# Altium PCB DIOT_PSU_AC_180.pcbdoc (part 2 of 2)
Units mm, origin at the board's own origin, x right, y up, seen from the top; angles counter-clockwise.
Board outline 159 x 100 mm, 2 copper layers (Top Layer, Bottom Layer), stack 1.57 mm thick; 95 components, 71 nets, 361 pads, 64 vias.
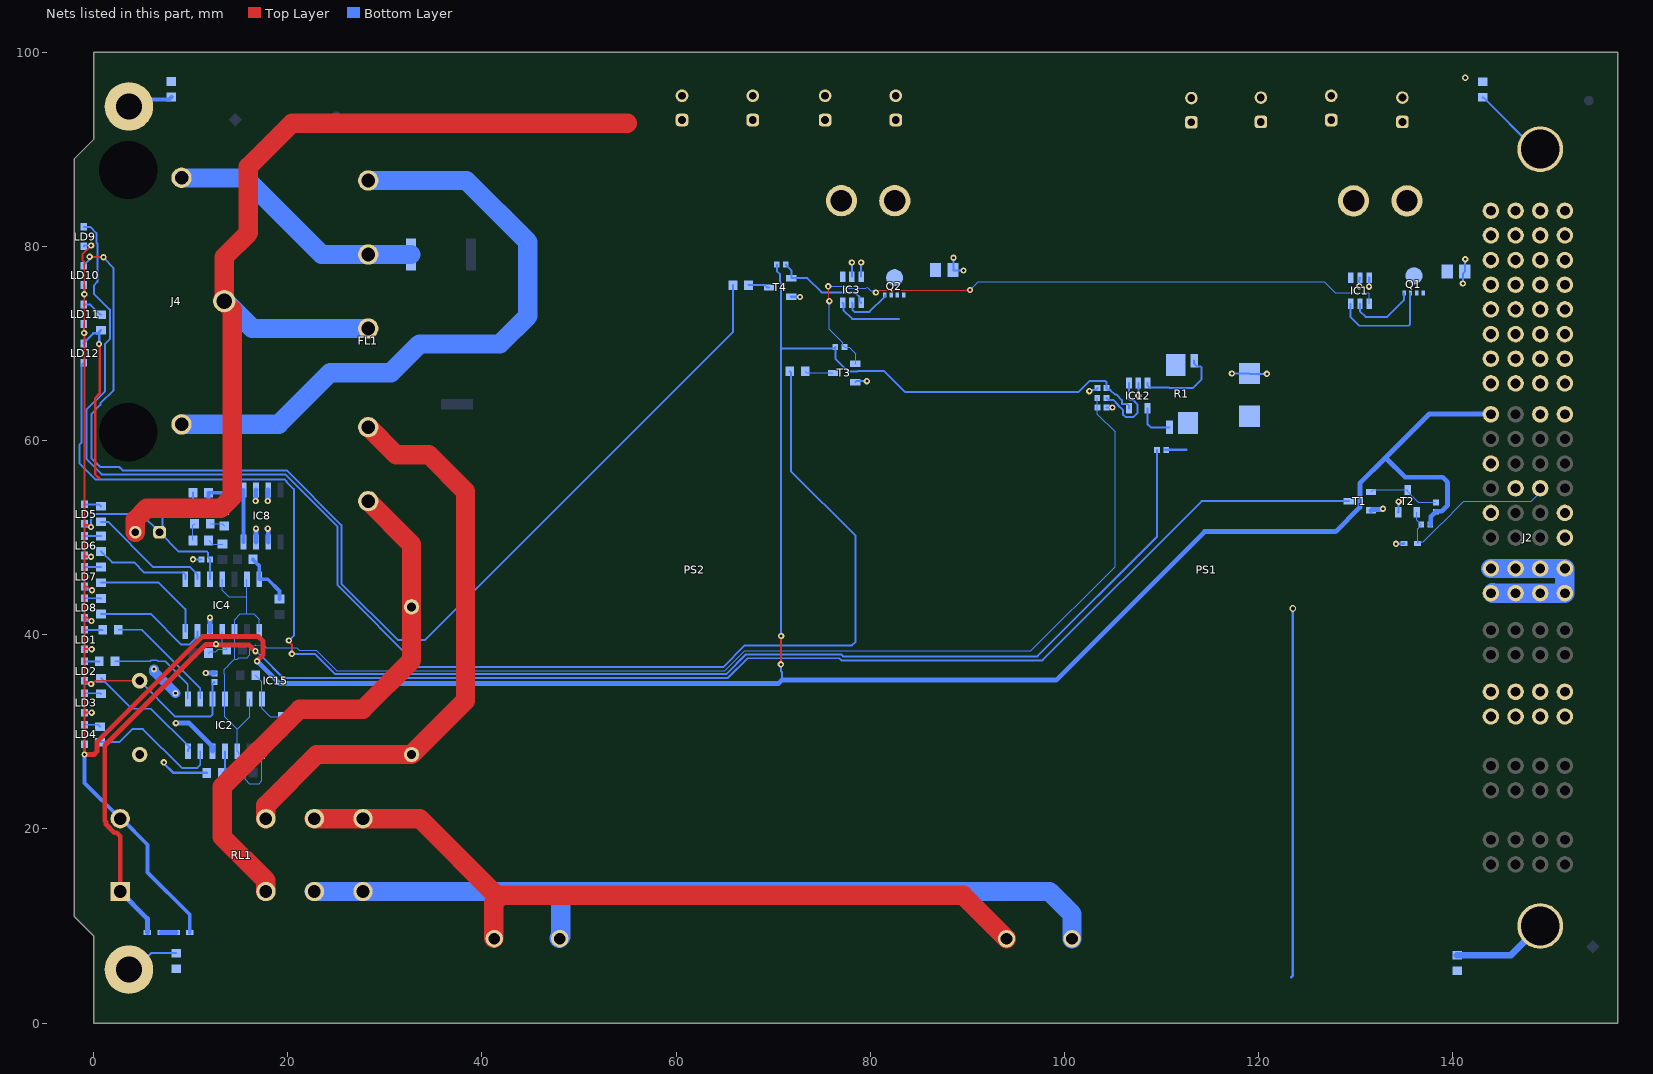
[diagram p2: the nets of this part, all layers, seen from the top]

## Via types
v1: diameter 0.65, hole 0.3, Top Layer to Bottom Layer, 56 vias
v2: diameter 1, hole 0.5, Top Layer to Bottom Layer, 6 vias
v3: diameter 0.7, hole 0.4, Top Layer to Bottom Layer, 2 vias

## Nets (pads, with @x,y where several pads share a name; then routed paths per layer and width w, separated by ;. In a path a pad name is that pad's centre, name@x,y a point inside that pad or via, vN(x,y) a via of type N, cw(c..) or ccw(c..) an arc to the next point about the centre after c; other vN are vias at no path point) (continued)
DC_RTN: J2.P5 | length 17.2
  Bottom Layer w2: J2.P5@143.92,46.818 J2.P5@146.46,46.818 J2.P5@149,46.818 J2.P5@151.54,46.818 J2.P5@151.54,44.716 ; J2.P5@144.091,44.316 144.129,44.278 J2.P5@146.46,44.278 J2.P5@149,44.278 J2.P5@151.54,44.278
GND: C1.1 C2.2 C3.2 C4.1 C5.2 C6.1 C7.1 C8.2 C9.2 C10.2 C11.2 C12.2 C13.2 C22.1 C34.1 D2.2 D5.2 FL1.PE IC1.2 IC1.3 IC2.12 IC3.2 IC3.3 IC4.12 IC8.2 IC8.3 IC8.6 IC8.7 IC12.2 IC15.3 J2.A6 J2.B6 J2.C3 J2.D4 J2.P3 J2.P6 J2.P7 J4.2 LD12.1 PS1.-VO PS2.-VO R13.2 R20.1 R37.1 R38.1 R39.2 R40.2 T1.2 T2.2 T3.2 T4.2 | length 204
  Top Layer w0.254: v1(0.562,69.926) 0.635,69.853 0.635,64.823 0.178,64.366 0.178,56.515 0.61,56.083
  Top Layer w2: C2.2@4.303,50.554 4.303,51.841 5.474,53.012 13.109,53.012 14.281,54.184 14.281,73.459 13.468,74.273 13.468,78.896 15.952,81.381 15.952,88.188 20.441,92.677 54.975,92.677
  Bottom Layer w0.203: v1(10.246,47.761) C22.1@11.111,47.761 ; IC3.2@78.106,76.869 v1(78.106,78.337) ; T3.2@78.457,66.008 78.562,66.113 v1(79.646,66.113) ; IC3.3@79.056,76.869 v1(79.056,78.337) ; v1(88.578,78.82) 88.578,77.512 v1(89.592,77.512) ; v1(102.565,65.075) 102.686,65.075 102.802,65.19 103.204,65.19 C6.1@103.412,65.399 ; C7.1@104.312,63.392 v1(104.933,63.392) ; v1(107.602,64.616) IC12.2@107.602,65.916 ; v1(117.241,66.906) 119.028,66.906 D5.2@119.041,66.893 119.068,66.866 v1(120.841,66.866) ; v1(141.027,76.172) 141.027,77.188 141.275,77.435 v1(141.275,78.664)
  Bottom Layer w0.254: LD12.1@-1,70 -1,70.05 -0.012,71.038 0.439,71.038 R20.1@0.635,71.234 ; v1(0.562,69.926) 0.599,69.964 0.599,71.199 R20.1@0.635,71.234 ; R20.1@0.762,71.361 R20.1@0.635,71.234 ; v1(7.239,26.848) 7.239,26.746 8.228,25.757 R13.2@11.661,25.757 ; T4.2@71.866,74.814 71.885,74.796 72.753,74.796 v1(72.771,74.778) ; 123.342,4.699 123.52,4.877 v3(123.52,42.697) ; v1(130.366,75.893) 130.366,76.345 IC1.2@130.432,76.768 ; v1(131.369,75.844) 131.376,75.851 131.376,76.761 IC1.3@131.382,76.768 ; v1(134.137,49.352) 134.163,49.378 134.939,49.378 D2.2@134.965,49.404 ; T2.2@134.39,52.603 134.404,52.616 134.404,53.682 v1(134.417,53.696)
  Bottom Layer w0.5: v1(8.484,30.886) 9.845,30.886 12.265,28.466 IC2.12@12.265,27.991 ; v1(11.561,36.054) 11.576,36.04 12.447,36.04 C4.1@12.461,36.025 ; IC4.12@11.996,40.307 12,40.311 12,41.748 v1(12.003,41.752) ; v1(16.698,53.772) 16.711,53.785 16.711,54.908 IC8.2@16.725,54.922 ; IC8.7@16.725,49.522 16.73,49.526 16.73,50.915 v1(16.735,50.92) ; v1(17.945,50.92) 17.945,50.879 17.995,50.829 IC8.6@17.995,49.522 ; v1(17.945,53.772) 17.97,53.797 17.97,54.897 IC8.3@17.995,54.922 ; T1.2@131.582,52.803 131.657,52.878 132.678,52.878 132.767,52.966 v1(132.807,52.966)
  Bottom Layer w1: v1(6.223,36.449) 6.223,36.184 v1(8.44,33.967)
  Bottom Layer w2: J4.2@13.468,74.354 13.549,74.354 16.368,71.535 FL1.PE@28.29,71.535
  other v3: 141.272,97.351
i_adc: C7.2 IC2.4 IC2.6 IC2.8 IC2.10 IC4.4 IC4.6 IC4.8 IC4.10 R45.1 | length 153.5
  Bottom Layer w0.127: IC4.4@13.266,45.707 13.266,44.588 13.927,43.926 15.806,43.926 ; IC4.6@15.806,45.707 15.806,43.926 ; IC2.6@16.075,33.391 16.075,31.548 14.805,30.278 ; IC4.8@17.076,40.307 17.076,41.576 16.515,42.136 15.815,42.136 ; IC2.8@17.345,27.991 17.345,24.961 17.049,24.666 16.051,24.666 15.623,25.094 15.623,26.491 15.009,27.105 15.009,27.787 IC2.10@14.805,27.991 14.805,30.278 ; 21.006,38.608 21.207,38.407 22.938,38.407 25.042,36.303 65.013,36.303 67.048,38.338 96.535,38.338 105.212,47.015 105.212,60.903 103.392,62.723 R45.1@103.392,64.383 ; 21.006,38.633 17.781,38.633 17.577,38.837 16.726,38.89 ccw(c16.688,38.303) 16.642,38.89 16.335,38.866 16.298,38.829 16.145,38.676 16.105,38.384 ccw(c16.688,38.303) 16.101,38.345 16.071,37.924 16.049,37.902 16.049,37.871 15.821,37.643 14.937,37.643 14.787,37.493 14.536,37.493 ; 14.536,37.493 14.461,37.418 13.883,36.826 cw(c13.462,37.236) 13.868,36.811 13.542,36.499 13.468,36.425 13.468,36.372 13.468,35.923 13.535,35.855 IC2.4@13.535,33.391 13.535,31.548 14.805,30.278 ; 14.536,37.493 IC4.10@14.536,40.307 14.536,41.558 15.114,42.136 15.815,42.136 ; 15.806,43.926 15.806,42.145 15.815,42.136
LED_1/8: LD4.1 R12.2 | length 1.7
  Bottom Layer w0.2: LD4.1@-0.932,30.724 0.464,30.724 R12.2@0.664,30.524
LED_2/8: LD3.1 R10.2 | length 1.7
  Bottom Layer w0.2: LD3.1@-0.932,33.967 0.704,33.967 R10.2@0.762,33.909
LED_3/8: LD2.1 R7.2 | length 1.5
  Bottom Layer w0.2: LD2.1@-0.932,37.254 R7.2@0.603,37.254
LED_4/8: LD1.1 R5.2 | length 1.9
  Bottom Layer w0.2: LD1.1@-0.932,40.502 R5.2@0.953,40.502
LED_5/8: LD8.1 R59.2 | length 1.7
  Bottom Layer w0.2: LD8.1@-0.932,43.752 0.746,43.752 R59.2@0.762,43.736
LED_6/8: LD7.1 R57.2 | length 1.7
  Bottom Layer w0.2: LD7.1@-0.932,46.957 R57.2@0.762,46.957
LED_7/8: LD6.1 R55.2 | length 1.7
  Bottom Layer w0.2: LD6.1@-0.932,50.154 R55.2@0.762,50.154
LED_8/8: LD5.1 R42.2 | length 1.8
  Bottom Layer w0.2: LD5.1@-0.932,53.42 0.562,53.42 R42.2@0.762,53.22
MAINS_L: FL1.P' IC15.2 RL1.2 | length 55.8
  Top Layer w2: RL1.2@17.753,13.547 17.753,14.683 13.253,19.183 13.253,24.327 21.247,32.322 27.724,32.322 32.753,37.35 IC15.2@32.753,42.854 32.753,49.292 FL1.P'@28.29,53.755
MAINS_L_sw: PS1.AC_L PS2.AC_L RL1.3 RL1.4 | length 86.4
  Bottom Layer w2: RL1.3@22.753,13.547 RL1.4@27.753,13.547 48.1,13.547 ; PS2.AC_L@47.969,8.741 48.1,8.872 48.1,13.547 ; PS1.AC_L@100.777,8.683 100.777,11.223 98.453,13.547 48.1,13.547
MAINS_N: FL1.N' IC15.1 RL1.7 | length 60.7
  Top Layer w2: RL1.7@17.753,21.047 17.753,22.411 22.996,27.654 IC15.1@32.753,27.654 38.312,33.214 38.312,54.754 34.539,58.527 31.165,58.527 28.317,61.375 FL1.N'@28.29,61.375
MAINS_N_sw: PS1.AC_N PS2.AC_N RL1.5 RL1.6 | length 81
  Top Layer w2: RL1.6@22.753,21.047 RL1.5@27.753,21.047 33.596,21.047 41.75,12.894 ; PS2.AC_N@41.219,8.741 41.219,12.363 41.997,13.141 89.57,13.141 PS1.AC_N@94.027,8.683
NetD1_2: D1.2 D10.1 | length 1.6
  Bottom Layer w0.5: D10.1@6.944,9.336 D1.2@8.518,9.336
NetD10_2: D10.2 RL1.1 T1.3 | length 162.8
  Top Layer w0.5: RL1.1@2.753,13.547 2.753,19.247 2.403,19.597 2.152,19.597 1.303,20.447 1.303,20.697 1.152,20.848 1.152,28.584 11.559,38.991 12.585,38.991 v1(12.613,39.02) ; v1@12.587,38.948 16.003,38.948 16.647,38.303 v1(16.688,38.303)
  Bottom Layer w0.203: v1(16.688,38.303) 17.203,37.895 17.262,37.836 19.563,35.535 65.332,35.535 67.366,37.57 76.82,37.57 77.037,37.353 97.729,37.353 114.128,53.753 T1.3@129.282,53.753
  Bottom Layer w0.5: RL1.1@2.753,13.547 5.544,10.756 D10.2@5.544,9.336
NetFL1_N: FL1.N J4.3 R18.2 | length 26.9
  Top Layer w2: J4.3@9.068,87.054 J4.3@9.087,87.035
  Bottom Layer w2: J4.3@9.068,87.054 9.087,87.035 15.629,87.035 23.509,79.155 FL1.N@28.29,79.155 R18.2@32.69,79.155
NetFL1_P: FL1.P J4.1 R17.2 | length 67
  Top Layer w2: J4.1@9.068,61.654 J4.1@9.087,61.673
  Bottom Layer w2: J4.1@9.068,61.654 9.087,61.673 19.068,61.673 24.38,66.985 30.641,66.985 33.59,69.934 41.844,69.934 44.74,72.83 44.74,80.43 38.395,86.775 FL1.P@28.29,86.775
NetIC1_4: IC1.4 R15.1 T3.1 | length 67.5
  Top Layer w0.127: v1(75.675,75.877) 75.728,75.825 75.728,74.405 v1(75.78,74.353) ; v1(80.569,75.239) 80.71,75.239 80.964,75.493 v1(90.268,75.493)
  Bottom Layer w0.127: v1(75.675,75.877) 77.579,75.877 77.794,75.662 79.556,75.662 79.682,75.787 80.057,75.412 80.254,75.412 80.427,75.239 v1(80.569,75.239) ; v1(75.78,74.353) 75.78,71.438 77.176,70.042 77.176,69.791 R15.1@77.351,69.616 77.832,69.616 78.492,68.956 78.492,67.943 T3.1@78.457,67.908 ; v1(90.268,75.493) 91.118,76.343 126.759,76.343 127.893,75.209 131.308,75.209 131.382,75.135 IC1.4@131.382,74.068
NetIC1_5: IC1.5 Q1.4 | length 7
  Bottom Layer w0.203: IC1.5@130.432,74.068 130.432,73.33 131.023,72.739 133.239,72.739 134.99,74.49 Q1.4@134.99,75.195
NetIC1_6: IC1.6 IC3.6 Q1.1 Q1.2 Q1.3 Q2.1 Q2.2 Q2.3 R1.I2 | length 18
  Bottom Layer w0.2: IC3.6@77.156,74.169 77.237,74.089 77.237,73.436 78.14,72.533 82.944,72.533
  Bottom Layer w0.203: IC1.6@129.482,74.068 129.482,72.704 130.371,71.815 135.446,71.815 135.565,71.934 135.565,74.545 135.567,74.547 135.567,75.122 Q1.3@135.64,75.195
NetIC2_1: IC2.1 R7.1 | length 10.1
  Bottom Layer w0.152: R7.1@2.203,37.254 5.859,37.254 5.957,37.352 6.539,37.352 6.637,37.254 7.376,37.254 9.725,34.906 IC2.1@9.725,33.391
NetIC2_2: IC2.2 R5.1 | length 12
  Bottom Layer w0.152: R5.1@2.553,40.502 4.956,40.502 10.995,34.463 IC2.2@10.995,33.391
NetIC2_7: IC2.7 R6.2 R8.1 | length 6.1
  Bottom Layer w0.127: R6.2@16.721,35.81 16.721,35.76 17.345,35.136 IC2.7@17.345,33.391 17.345,32.44 18.219,31.566 R8.1@19.488,31.566
NetIC2_11: IC2.11 R11.2 R13.1 | length 3.9
  Bottom Layer w0.2: R13.1@13.261,25.757 R13.1@13.358,25.757 ; IC2.11@13.535,27.991 13.535,25.934 R13.1@13.358,25.757 ; R11.2@14.823,25.782 14.798,25.757 R13.1@13.358,25.757
NetIC2_13: IC2.13 R12.1 | length 14.1
  Bottom Layer w0.2: R12.1@0.664,28.924 2.653,28.924 4.008,30.278 5.093,30.278 9.09,26.282 10.695,26.282 10.995,26.582 IC2.13@10.995,27.991
NetIC2_14: IC2.14 R10.1 | length 12.6
  Bottom Layer w0.2: R10.1@0.762,35.509 0.812,35.509 3.954,32.367 5.919,32.367 9.942,28.344 9.925,28.344 9.725,28.144 IC2.14@9.725,27.991
NetIC3_4: IC3.4 R16.1 T4.1 | length 10.1
  Bottom Layer w0.2: R16.1@71.311,78.105 71.311,78.085 71.866,77.529 T4.1@71.866,76.714 73.52,76.714 74.99,75.244 78.451,75.244 78.881,74.814 78.881,74.344 IC3.4@79.056,74.169
NetIC3_5: IC3.5 Q2.4 | length 5
  Bottom Layer w0.2: IC3.5@78.106,74.169 78.176,74.099 78.176,73.436 78.37,73.243 79.918,73.243 81.499,74.824 81.499,74.989 Q2.4@81.494,74.994
NetIC4_1: IC4.1 R55.1 | length 10.2
  Bottom Layer w0.2: R55.1@0.762,48.554 0.812,48.554 1.925,47.44 4.187,47.44 5.245,46.382 9.256,46.382 9.456,46.182 IC4.1@9.456,45.707
NetIC4_2: IC4.2 R42.1 | length 12.7
  Bottom Layer w0.2: R42.1@0.762,51.62 1.505,51.62 6.167,46.957 9.951,46.957 10.726,46.182 IC4.2@10.726,45.707
NetIC4_7: IC4.7 R48.2 R56.1 | length 5.7
  Bottom Layer w0.4: R48.2@16.423,47.761 16.423,47.711 16.673,47.461 16.698,47.461 17.076,47.082 IC4.7@17.076,45.707 17.945,45.707 19.151,44.502 R56.1@19.151,43.667
NetIC4_11: IC4.11 R58.2 R60.1 | length 4.1
  Bottom Layer w0.127: R60.1@11.846,38.102 11.971,38.227 12.595,38.227 12.848,38.48 R58.2@13.736,38.48 13.736,38.53 13.266,39 IC4.11@13.266,40.307
NetIC4_13: IC4.13 R59.1 | length 12.1
  Bottom Layer w0.2: R59.1@0.762,42.136 5.883,42.136 9.039,38.98 9.873,38.98 10.726,39.832 IC4.13@10.726,40.307
NetIC4_14: IC4.14 R57.1 | length 12.1
  Bottom Layer w0.2: R57.1@0.762,45.357 6.72,45.357 9.456,42.622 IC4.14@9.456,40.307
NetIC12_1: IC12.1 R45.2 | length 8.1
  Bottom Layer w0.203: R45.2@104.332,64.383 104.332,64.363 104.52,64.174 105.037,64.174 105.515,63.697 105.515,63.626 106.05,63.09 106.05,62.641 106.292,62.4 107.104,62.4 107.518,62.814 107.518,63.727 107.077,64.168 106.771,64.168 106.652,64.287 IC12.1@106.652,65.916
NetIC12_3: IC12.3 R1.E2 | length 8.8
  Bottom Layer w0.203: IC12.3@108.552,65.916 108.552,65.666 108.75,65.468 110.752,65.468 110.821,65.399 113.227,65.399 114.122,66.294 114.122,67.521 114.003,67.64 113.64,67.64 113.361,67.919 R1.E2@113.361,68.218
NetIC12_4: IC12.4 R1.E1 | length 4
  Bottom Layer w0.203: IC12.4@108.552,63.316 108.552,61.693 108.887,61.358 R1.E1@110.821,61.358
NetJ2_MTG1: J2.MTG1 R39.1 | length 8.1
  Bottom Layer w0.203: R39.1@143.07,95.343 143.12,95.343 148.46,90.003 J2.MTG1@149,90.003
NetJ2_MTG2: J2.MTG2 R40.1 | length 9.8
  Bottom Layer w0.7: R40.1@140.44,6.988 145.995,6.988 J2.MTG2@149,9.993
NetLD9_1: LD9.1 R9.2 | length 150.1
  Bottom Layer w0.2: LD9.1@-1,82 -0.339,82 0.305,81.356 0.305,80.384 0.406,80.283 0.406,76.323 0.035,75.952 0.035,75.124 1.676,73.482 1.676,70.434 1.187,69.945 1.187,65.093 -0.709,63.196 -0.709,58.065 0.842,56.513 19.743,56.513 25.139,51.117 25.139,45.094 33.566,36.667 64.863,36.667 67.088,38.892 78.111,38.892 78.492,39.273 78.492,50.182 71.831,56.842 71.831,67.001 R9.2@71.701,67.131
NetLD10_1: LD10.1 R14.2 | length 120
  Top Layer w0.2: v1(-0.4,78.918) -0.375,78.892 1.006,78.892 v1(1.031,78.867)
  Bottom Layer w0.2: LD10.1@-1,78 -1,78.05 -0.487,78.563 -0.487,78.832 v1(-0.4,78.918) ; v1(1.031,78.867) 1.031,78.801 2.076,77.756 2.076,65.195 0.711,63.83 0.711,63.664 -0.229,62.724 -0.229,58.172 0.675,57.269 2.653,57.269 3.008,56.913 19.908,56.913 25.539,51.283 25.539,45.26 31.344,39.454 34.161,39.454 65.851,71.145 R14.2@65.851,75.994
NetLD11_1: LD11.1 R20.2 | length 2.2
  Bottom Layer w0.2: LD11.1@-1,74 -0.327,74 0.712,72.961 R20.2@0.762,72.961
NetLD12_2: LD12.2 R21.1 | length 156
  Top Layer w0.203: v1(20.117,39.395) 20.117,39.274 20.422,38.97 v1(20.422,38.024)
  Bottom Layer w0.203: LD12.2@-1,68 -1.248,67.752 -1.248,59.762 -1.448,59.563 -1.448,57.658 0.254,55.956 14.988,55.956 15.03,55.998 19.69,55.998 19.867,55.821 19.867,55.749 20.625,54.991 20.625,39.903 v1(20.117,39.395) ; v1(20.422,38.024) 20.445,38 22.829,38 24.89,35.938 65.165,35.938 67.199,37.973 76.987,37.973 77.204,37.756 97.217,37.756 109.53,50.069 R21.1@109.53,59
NetR2_1: R2.1 R47.2 | length 1.8
  Bottom Layer w0.127: R2.1@10.246,49.704 10.246,51.254 R47.2@10.411,51.42
NetR2_2: R2.2 R4.1 | length 1.6
  Bottom Layer w0.127: R2.2@11.846,49.704 12.217,49.332 R4.1@13.295,49.332
NetR9_1: R9.1 T3.3 | length 2.9
  Bottom Layer w0.127: R9.1@73.301,67.131 73.474,66.958 T3.3@76.157,66.958
NetR14_1: R14.1 T4.3 | length 2.2
  Bottom Layer w0.2: R14.1@67.451,75.994 69.136,75.994 69.366,75.764 T4.3@69.566,75.764
NetR37_2: R37.2 ST2.1 | length 4.8
  Bottom Layer w0.4: ST2.1@3.652,94.401 4.369,95.119 7.768,95.119 R37.2@8.018,95.369
NetR38_2: R38.2 ST2.0 | length 5.6
  Bottom Layer w0.203: ST2.0@3.652,5.501 4.223,5.501 5.921,7.199 R38.2@8.518,7.199
NetR46_2: R46.2 R47.1 | length 1.5
  Bottom Layer w0.127: R47.1@12.011,51.42 13.243,51.42 R46.2@13.468,51.195
P2V5REF: IC8.1 IC8.8 R43.1 R44.1 R46.1 | length 12.4
  Bottom Layer w0.4: R46.1@13.468,52.795 13.359,52.904 11.954,52.904 R43.1@11.846,53.012 R44.1@11.846,54.622 15.355,54.622 IC8.1@15.455,54.722 ; IC8.8@15.455,49.522 IC8.1@15.455,54.722 ; IC8.1@15.455,54.922 IC8.1@15.455,54.722
P5V0SB: C2.1 C4.2 C6.2 C22.2 D1.1 IC2.3 IC4.3 IC12.5 IC15.4 J2.D6 LD1.2 LD2.2 LD3.2 LD4.2 LD5.2 LD6.2 LD7.2 LD8.2 LD9.2 LD10.2 LD11.2 R3.2 R15.2 R16.2 R19.2 R43.2 R44.2 RL1.8 | length 397.7
  Top Layer w0.2: -0.953,78.384 -0.953,71.082 v1(-0.965,71.069) -0.932,71.036 -0.932,51.302 ; -0.94,78.384 -1.143,78.588 -1.143,79.172 -0.246,80.069 v1(-0.246,80.089) ; v1(-0.932,27.654) -0.932,31.85 ; v1(-0.257,48.025) -0.269,48.037 -0.932,48.037 ; v1(-0.257,51.091) -0.379,51.091 -0.591,51.302 -0.932,51.302 ; v1(-0.245,34.921) -0.367,34.921 -0.583,35.137 -0.932,35.137 ; v1@-0.229,34.925 -0.119,34.925 0.211,35.254 IC15.4@4.753,35.254 ; v1(-0.203,41.402) -0.299,41.402 -0.65,41.752 -0.815,41.752 -0.932,41.635 ; v1(-0.19,31.967) -0.815,31.967 -0.932,31.85 ; v1(-0.19,38.502) -0.815,38.502 -0.932,38.384 ; v1(-0.152,44.577) -0.269,44.577 -0.65,44.957 -0.815,44.957 -0.932,44.84 ; -0.932,31.85 -0.932,35.137 ; -0.932,35.137 -0.932,38.384 ; -0.932,38.384 -0.932,41.635 ; -0.932,41.635 -0.932,44.84 ; -0.932,44.84 -0.932,48.037 ; -0.932,48.037 -0.932,51.302
  Top Layer w0.203: v1(70.794,36.943) 70.805,36.955 70.805,39.855 v1(70.817,39.867)
  Top Layer w0.508: v1(-0.932,27.654) 0.05,27.654 0.347,27.952 0.347,28.934 11.212,39.799 16.999,39.799 17.467,39.331 17.467,37.927 16.84,37.3 v1(16.84,37.262)
  Bottom Layer w0.2: LD11.2@-1,72 -0.965,71.965 v1(-0.965,71.069) ; LD10.2@-1,76 -0.94,75.94 v1(-0.94,75.057) ; LD9.2@-1,80 -0.911,80.089 v1(-0.246,80.089) ; v1(-0.932,27.654) LD4.2@-0.932,28.724 ; LD3.2@-0.932,31.967 v1(-0.19,31.967) ; LD2.2@-0.932,35.254 -0.932,35.204 -0.682,34.954 -0.279,34.954 v1(-0.245,34.921) ; LD1.2@-0.932,38.502 v1(-0.19,38.502) ; LD8.2@-0.932,41.752 -0.932,41.702 -0.682,41.452 -0.253,41.452 v1(-0.203,41.402) ; LD7.2@-0.932,44.957 -0.932,44.907 -0.682,44.657 -0.233,44.657 v1(-0.152,44.577) ; LD6.2@-0.932,48.154 -0.804,48.025 v1(-0.257,48.025) ; LD5.2@-0.932,51.42 -0.932,51.37 -0.682,51.12 -0.315,51.12 -0.203,51.232 -0.257,51.286 -0.257,51.92 -0.038,52.139 -0.038,52.194 0.187,52.42 4.937,52.42 C2.1@6.803,50.554 ; v1(-0.257,51.091) -0.257,51.238 v1@-0.233,51.262 ; IC15.4@4.753,35.254 8.44,31.567 12.011,31.567 12.265,31.82 IC2.3@12.265,33.391 12.265,34.928 C4.2@12.461,35.125 ; R44.2@10.246,54.622 R43.2@10.246,53.012 7.92,53.012 7.128,52.22 7.128,50.879 C2.1@6.803,50.554 ; IC4.3@11.996,45.707 12.011,45.723 C22.2@12.011,47.761 11.801,47.971 11.801,48.437 11.684,48.554 8.803,48.554 C2.1@6.803,50.554
  Bottom Layer w0.203: R16.2@70.371,78.105 70.371,77.442 70.716,77.096 70.716,76.319 70.817,76.219 70.817,69.473 ; v1(70.794,36.943) 70.794,36.227 70.886,36.134 70.886,35.31 ; v1(70.817,39.867) 70.817,69.473 ; IC12.5@106.652,63.316 106.652,63.566 106.454,63.765 105.946,63.765 105.918,63.793 105.918,64.162 105.367,64.713 105.213,64.713 104.736,65.19 104.52,65.19 C6.2@104.312,65.399 104.312,66.023 104.193,66.142 102.615,66.142 101.442,64.969 83.585,64.969 81.422,67.131 78.724,67.131 78.7,67.107 77.699,67.107 76.411,68.394 R15.2@76.411,69.616 76.268,69.473 70.817,69.473
  Bottom Layer w0.4: v1(-0.932,27.654) -0.932,24.732 RL1.8@2.753,21.047 2.866,21.047 5.553,18.361 5.553,15.513 9.918,11.148 D1.1@9.918,9.336
  Bottom Layer w0.508: v1(16.84,37.262) 16.861,37.262 19.144,34.98 70.556,34.98 70.886,35.31 99.14,35.31 114.437,50.606 127.929,50.606 130.429,53.106 130.429,55.587 133.068,58.226 ; R3.2@137.685,51.325 137.721,51.361 137.721,52.154 138.243,52.676 138.283,52.676 138.319,52.712 138.843,52.712 139.471,53.339 139.471,55.686 138.943,56.213 135.08,56.213 133.068,58.226 ; J2.D6@143.92,62.698 143.913,62.705 137.547,62.705 133.068,58.226
P12V0_OUT: D5.1 J2.P8 J2.P9 R1.I1 R21.2 | length 2.2
  Bottom Layer w0.254: R21.2@110.375,59.03 112.547,59.03
P12V0A: C3.1 C5.1 C8.1 C9.1 C34.2 IC1.1 PS1.+VO Q1.5-6-7-8
P12V0B: C1.2 C10.1 C11.1 C12.1 C13.1 IC3.1 PS2.+VO Q2.5-6-7-8
P_RST: J2.A1
PS-ON: R19.1 T1.1 T2.3 | length 7.4
  Bottom Layer w0.127: T1.1@131.582,54.703 131.782,54.903 T2.3@135.34,54.903 135.34,54.703 136.427,53.616 R19.1@138.263,53.616
PS_ON_N: D2.1 J2.B3 R3.1 T2.1 | length 18.8
  Bottom Layer w0.127: T2.1@136.29,52.603 136.29,51.8 136.745,51.345 R3.1@136.745,51.325 136.745,51.305 136.365,50.925 D2.1@136.365,49.404 136.552,49.59 136.973,49.59 138.882,51.499 138.93,51.499 139.915,52.485 139.915,52.533 141.135,53.753 148.064,53.753 ; 148.064,53.753 148.081,53.753 149,54.672 J2.B3@149,55.078
PWRFAIL_N: J2.D2
RTN_Sense: J2.A2
pads on no net: FTG1.FTG2 FTG2.1 FTG3.FTG2 FTG4.1 IC8.4 IC8.5 J2.A4 J2.A5 J2.B1 J2.B2 J2.B4 J2.B5 J2.C1 J2.C2 J2.C4 J2.D1 J2.D3 J2.D5 J4.4 J4.5 LD1.3 LD2.3 LD3.3 LD4.3 LD5.3 LD6.3 LD7.3 LD8.3 LD9.3 LD10.3 LD11.3 LD12.3

## Polygon pours and split planes (outlines as drawn)
no net on Top Layer "balancing_top" (solid, pour order 46): 0.33,96.853 156.515,96.853 156.515,1.916 0.368,1.992 0.219,8.932 -2.023,11.028 -2.023,89.899 0.219,92.141
GND on Top Layer "NONET_L-01_P-001" (solid, remove dead copper, pour order 44): -2,26.399 7.425,26.399 20.012,38.986 20.012,55.765 19.072,56.705 -1.992,56.705
GND on Top Layer "NONET_L-01_P-001" (solid, pour order 41): 53.887,97.007 55.332,98.453 136.843,98.453 157,98.453 157,54.119 144.029,41.148 77.406,41.148 53.898,64.656 53.898,97.014
AC_L on Top Layer "NONET_L-01_P-001" (solid, pour order 43): 141.188,21.132 144.883,21.132 145.421,20.594 156.008,20.594 156.832,19.771 156.832,15.952 155.17,14.291 146.45,14.291 142.624,18.116 141.323,18.116 140.723,18.716 140.723,20.693 141.188,21.159
AC_N on Top Layer "NONET_L-01_P-001" (solid, pour order 42): 141.027,28.67 144.722,28.67 145.26,28.133 155.847,28.133 156.67,27.309 156.67,23.491 155.353,22.173 145.945,22.173 142.463,25.655 141.162,25.655 140.562,26.255 140.562,28.232 141.027,28.697
GND on Top Layer "NONET_L-01_P-001" (solid, pour order 45): 141.297,54.836 155.089,54.836 157.071,52.855 157.071,31.417 155.978,31.417 155.496,30.935 144.904,30.935 140.967,34.872 140.967,54.887
no net on Bottom Layer "balancing" (solid, pour order 47): 0.528,96.853 156.362,96.853 156.362,1.953 0.528,1.953 0.528,8.599 -2.049,11.176 -2.049,89.482 0.529,92.059
P12V0A on Bottom Layer "NONET_L-01_P-001" (solid, pour order 37): 109.052,94.568 136.418,94.568 138.48,92.506 138.48,82.966 137.195,81.681 134.292,81.681 132.476,83.496 132.476,90.046 131.042,91.48 114.113,91.48 112.843,90.21 112.843,87.101 116.147,83.796 126.798,83.796 129.879,80.716 140.423,80.716 141.586,79.553 141.586,77.369 140.321,76.104 129.071,76.104 126.616,78.56 112.11,78.56 106.87,83.8 106.87,92.386
NetIC1_6 on Bottom Layer "NONET_L-01_P-001" (solid, remove dead copper, pour order 39): 80.861,75.764 124.954,75.764 127.814,72.904 131.774,72.904 134.315,75.445 137.919,75.445 138.779,74.584 138.779,71.461 132.685,65.366 86.691,65.366 80.861,71.196
P12V0_OUT on Bottom Layer "NONET_L-01_P-001" (solid, pour order 40): 110.896,65.089 133.05,65.089 142.088,74.127 142.088,83.146 145.227,86.285 154.644,86.285 157,83.93 157,75.652 154.252,72.904 148.694,72.904 134.695,58.905 110.896,58.905
P12V0B on Bottom Layer "pt" (solid, pour order 36): 56.494,94.375 83.86,94.375 85.922,92.313 85.922,82.773 84.637,81.488 81.734,81.488 79.918,83.303 79.918,89.854 78.484,91.288 61.554,91.288 60.284,90.018 60.284,86.908 63.589,83.604 74.24,83.604 77.32,80.523 87.865,80.523 89.027,79.36 89.027,77.177 87.762,75.912 76.513,75.912 74.058,78.367 59.552,78.367 54.312,83.607 54.312,92.194
GND on Bottom Layer "GND_L02_P029" (solid, remove dead copper, pour order 29): 156.49,99.392 0.902,99.392 0.902,96.943 156.49,96.943
GND on Bottom Layer "GND_L02_P028" (solid, remove dead copper, pour order 28): 0.714,0.643 157.008,0.643 157.008,5.587 0.657,5.587

## Keep-outs
Keep-Out Layer:
  drawing of 7296 lines, arcs and shapes, not listed

## Other copper
Top Layer:
  rectangle net AC_N: 37.99,75.494 40.944,78.412
  rectangle net AC_L: 40.004,61.665 42.596,64.259
Bottom Layer:
  rectangle net MAINS_L_sw: 99.593,7.417 102.133,9.703
  rectangle net MAINS_N_sw: 92.761,7.493 95.301,9.779
  rectangle net MAINS_L_sw: 46.584,7.29 49.682,9.957
  rectangle net MAINS_N_sw: 39.776,7.214 42.951,10.008
  rectangle net NetIC1_6: 135.458,73.66 137.389,75.565
  rectangle net AC_N: 37.99,75.494 40.944,78.412
  rectangle net AC_L: 40.004,61.665 42.596,64.259
  rectangle net P12V0_OUT: 111.76,58.953 113.624,62.458
  rectangle net NetIC1_6: 110.465,67.423 112.495,70.231
  rectangle net P12V0A: 133.942,75.965 138.243,79.435
  rectangle net NetIC1_6: 81.969,72.106 85.522,75.519
  rectangle net P12V0B: 80.137,75.764 84.891,79.36

## Silkscreen, mask and mechanical layers (free items; w line width, h text height)
Top Overlay:
  text "DIOT PSU AC 180 v1.0" at 80.366,0.991 h3
Bottom Overlay:
  text "DIOT PSU AC 180 v1.0" at 107.772,3.683 h3
Bottom Paste:
  text ".Layer_Name" at 168.705,-40.005 h1.91
Bottom Solder:
  rectangle: 0.623,0.603 219.419,2.4
  region: 206.037,51.755 206.037,48.255 220,48.255 220,51.755
  text ".Layer_Name" at 168.705,-37.465 h1.91
Mechanical 1:
  the board outline again, w0.1
Mechanical 2:
  circle w0.006: c10.557,-78.944 r0.003
  circle w0.013: c140.701,80.85 r1.75
  circle w0.013: c24.901,80.85 r1.75
  circle w0.013: c140.701,16.05 r1.75
  circle w0.013: c24.901,16.05 r1.75
  circle w0.013: c155.05,81.07 r0.5
  circle w0.013: c155.05,83.61 r0.5
  circle w0.013: c155.05,78.53 r0.5
  circle w0.013: c152.51,75.99 r0.5
  circle w0.013: c152.51,89.955 r2
  circle w0.013: c152.51,83.61 r0.5
  circle w0.013: c152.51,78.53 r0.5
  circle w0.013: c152.51,81.07 r0.5
  circle w0.013: c155.05,73.45 r0.5
  circle w0.013: c155.05,75.99 r0.5
  circle w0.013: c155.05,68.37 r0.5
  circle w0.013: c155.05,70.91 r0.5
  circle w0.013: c155.05,65.83 r0.5
  circle w0.013: c152.51,73.45 r0.5
  circle w0.013: c155.05,60.11 r0.5
  circle w0.013: c155.05,62.65 r0.5
  circle w0.013: c149.97,81.07 r0.5
  circle w0.013: c149.97,83.61 r0.5
  circle w0.013: c152.51,70.91 r0.5
  circle w0.013: c149.97,78.53 r0.5
  circle w0.013: c149.97,73.45 r0.5
  circle w0.013: c149.97,75.99 r0.5
  circle w0.013: c149.97,68.37 r0.5
  circle w0.013: c149.97,70.91 r0.5
  circle w0.013: c152.51,65.83 r0.5
  circle w0.013: c152.51,68.37 r0.5
  circle w0.013: c152.51,60.11 r0.5
  circle w0.013: c152.51,62.65 r0.5
  circle w0.013: c149.97,62.65 r0.5
  circle w0.013: c149.97,65.83 r0.5
  circle w0.013: c152.51,57.57 r0.5
  circle w0.013: c149.97,60.11 r0.5
  circle w0.013: c155.05,55.03 r0.5
  circle w0.013: c155.05,57.57 r0.5
  circle w0.013: c155.05,49.95 r0.5
  circle w0.013: c155.05,52.49 r0.5
  circle w0.013: c155.05,44.23 r0.5
  circle w0.013: c155.05,46.77 r0.5
  circle w0.013: c155.05,40.42 r0.5
  circle w0.013: c152.51,44.23 r0.5
  circle w0.013: c155.05,34.07 r0.5
  circle w0.013: c155.05,37.88 r0.5
  circle w0.013: c155.05,26.45 r0.5
  circle w0.013: c155.05,31.53 r0.5
  circle w0.013: c155.05,18.83 r0.5
  circle w0.013: c155.05,23.91 r0.5
  circle w0.013: c155.05,16.29 r0.5
  circle w0.013: c152.51,9.945 r2
  circle w0.013: c152.51,37.88 r0.5
  circle w0.013: c152.51,40.42 r0.5
  circle w0.013: c152.51,31.53 r0.5
  circle w0.013: c152.51,34.07 r0.5
  circle w0.013: c152.51,52.49 r0.5
  circle w0.013: c152.51,55.03 r0.5
  circle w0.013: c152.51,46.77 r0.5
  circle w0.013: c152.51,49.95 r0.5
  circle w0.013: c152.51,23.91 r0.5
  circle w0.013: c152.51,26.45 r0.5
  circle w0.013: c152.51,16.29 r0.5
  circle w0.013: c152.51,18.83 r0.5
  circle w0.013: c149.97,23.91 r0.5
  circle w0.013: c149.97,26.45 r0.5
  circle w0.013: c149.97,16.29 r0.5
  circle w0.013: c149.97,18.83 r0.5
  circle w0.013: c147.43,83.61 r0.5
  circle w0.013: c147.43,78.53 r0.5
  circle w0.013: c147.43,81.07 r0.5
  circle w0.013: c147.43,73.45 r0.5
  circle w0.013: c147.43,75.99 r0.5
  circle w0.013: c147.43,68.37 r0.5
  circle w0.013: c147.43,70.91 r0.5
  circle w0.013: c147.43,62.65 r0.5
  circle w0.013: c147.43,65.83 r0.5
  circle w0.013: c149.97,55.03 r0.5
  circle w0.013: c149.97,57.57 r0.5
  circle w0.013: c149.97,49.95 r0.5
  circle w0.013: c149.97,52.49 r0.5
  circle w0.013: c147.43,57.57 r0.5
  circle w0.013: c147.43,60.11 r0.5
  circle w0.013: c147.43,49.95 r0.5
  circle w0.013: c147.43,52.49 r0.5
  circle w0.013: c149.97,44.23 r0.5
  circle w0.013: c149.97,46.77 r0.5
  circle w0.013: c149.97,31.53 r0.5
  circle w0.013: c149.97,40.42 r0.5
  circle w0.013: c147.43,44.23 r0.5
  circle w0.013: c147.43,46.77 r0.5
  circle w0.013: c149.97,34.07 r0.5
  circle w0.013: c149.97,37.88 r0.5
  circle w0.013: c147.43,40.42 r0.5
  circle w0.013: c147.43,55.03 r0.5
  circle w0.013: c147.43,31.53 r0.5
  circle w0.013: c147.43,37.88 r0.5
  circle w0.013: c147.43,34.07 r0.5
  circle w0.013: c147.43,23.91 r0.5
  circle w0.013: c147.43,26.45 r0.5
  circle w0.013: c147.43,16.29 r0.5
  circle w0.013: c147.43,18.83 r0.5
  lines w0.013: 18.243,45.551 19.743,44.051 22.343,44.051 24.343,42.051 24.343,22.058 28.678,17.723 28.678,10.051 29.678,9.051 136.143,9.051 137.143,10.051 137.143,86.251 136.143,87.251 ; 18.243,75.051 20.243,77.051 25.757,77.051 28.343,79.637 28.343,86.251 29.343,87.251
  lines w0.254: -2.53,-11.762 -2.53,114
Mechanical 13:
  text "RPS-400-12 or EPP-400-12" at 67.691,-13.995 h2.54

## Dimensions
0,0 to 3.57,5.55 on Drill Drawing
3.57,5.55 to 0,0 on Drill Drawing

## Text inside footprints (layer, text, board x,y; h text height)
C2: Top Overlay "+" at 9.253,50.054 h1
C3: Top Overlay "+" at 112.569,90.314 h1 r270
C5: Top Overlay "+" at 134.302,90.361 h1 r270
C8: Top Overlay "+" at 126.969,90.55 h1 r270
C9: Top Overlay "+" at 119.727,90.361 h1 r270
C10: Top Overlay "+" at 82.119,90.552 h1 r270
C11: Top Overlay "+" at 74.85,90.552 h1 r270
C12: Top Overlay "+" at 67.401,90.552 h1 r270
C13: Top Overlay "+" at 60.109,90.552 h1 r270
FL1: Top Overlay "P'" at 25.09,54.045 h1.2 r270; Top Overlay "N'" at 25.09,61.665 h1.2 r270; Top Overlay "PE" at 25.09,72.465 h1.2 r270; Top Overlay "N" at 25.09,79.445 h1.2 r270; Top Overlay "P" at 25.09,87.065 h1.2 r270
IC15: Top Overlay "AC(L)" at 30.966,43.487 h1.2 r180; Top Overlay "+Vo" at 10.028,35.864 h1.2 r180; Top Overlay "-Vo" at 10.028,28.264 h1.2 r180; Top Overlay "AC(N)" at 30.966,28.287 h1.2 r180; Notvisible "1" at 35.053,28.287 h1.2 r180; Notvisible "2" at 35.153,43.487 h1.2 r180; Notvisible "4" at 3.053,35.754 h1.2 r180; Notvisible "3" at 3.053,28.254 h1.2 r180; Mechanical 14 "AC(L)" at 30.966,43.487 h1.2 r180; Mechanical 14 "AC(N)" at 30.966,28.287 h1.2 r180; Mechanical 14 "-Vo" at 10.028,28.264 h1.2 r180; Mechanical 14 "+Vo" at 10.028,35.864 h1.2 r180
J2: Top Overlay "P1" at 139,16 h1.2; Top Overlay "P2" at 138,24 h1.2; Top Overlay "P3" at 142.723,33.223 h1.2 r90; Top Overlay "P9" at 142.672,81.61 h1.2 r90; Notvisible "PCB" at 155.94,48.358 h1.2 r90; Bottom Overlay "P4" at 142.777,38.704 h1.2; Bottom Overlay "P5" at 142.777,45.054 h1.2; Bottom Overlay "D1" at 142.777,49.534 h1.2; Bottom Overlay "D2" at 142.777,52.074 h1.2; Bottom Overlay "D3" at 142.777,54.614 h1.2; Bottom Overlay "D4" at 142.777,57.154 h1.2; Bottom Overlay "D5" at 142.777,59.594 h1.2; Bottom Overlay "D6" at 142.777,62.234 h1.2; Bottom Overlay "P6" at 142.523,65.384 h1.2; Bottom Overlay "P8" at 154,76.962 h1.2 r90; Bottom Overlay "P7" at 142.821,72.866 h1.2; Mechanical 14 "D6" at 140.44,62.158 h1.2; Mechanical 14 "D5" at 140.44,59.518 h1.2; Mechanical 14 "D4" at 140.44,57.078 h1.2; Mechanical 14 "D3" at 140.44,54.538 h1.2; Mechanical 14 "D2" at 140.44,51.998 h1.2; Mechanical 14 "D1" at 140.44,49.458 h1.2; Mechanical 14 "P9" at 140.44,81.818 h1.2; Mechanical 14 "P8" at 140.44,76.738 h1.2; Mechanical 14 "P7" at 140.44,71.658 h1.2; Mechanical 14 "P6" at 140.44,66.578 h1.2; Mechanical 14 "P5" at 140.44,44.978 h1.2; Mechanical 14 "P4" at 140.44,38.628 h1.2; Mechanical 14 "P3" at 140.44,32.278 h1.2; Mechanical 14 "P2" at 140.44,24.658 h1.2; Mechanical 14 "P1" at 140.44,16.958 h1.2
J4: Top Overlay "N" at 12.518,90.254 h1.5 r90; Top Overlay "L" at 12.493,57.557 h1.5 r90; Notvisible "3D Fuse (5X20) Stand-off Heigh" at 7.543,62.829 h1 r90; Notvisible "Must be 2mm" at 9.518,69.279 h1 r90; Mechanical 14 "N" at 12.518,90.254 h1.5 r90; Mechanical 14 "L" at 12.493,57.557 h1.5 r90